# Altium PCB roach2.PcbDoc (part 8 of 39)
Units mil, origin at the board's own origin, x right, y up, seen from the top; angles counter-clockwise.
Board outline 12007.87 x 9606.3 mil, 16 copper layers (L1_TOP, L2_G, L3_S, L4_G, L5_S, L6_P, L7_G, L8_R, L9_R, L10_P, L11_P, L12_S, L13_P, L14_S, L15_G, L16_BOT), stack 81.651 mil thick; 1568 components, 1918 nets, 9251 pads, 6741 vias.
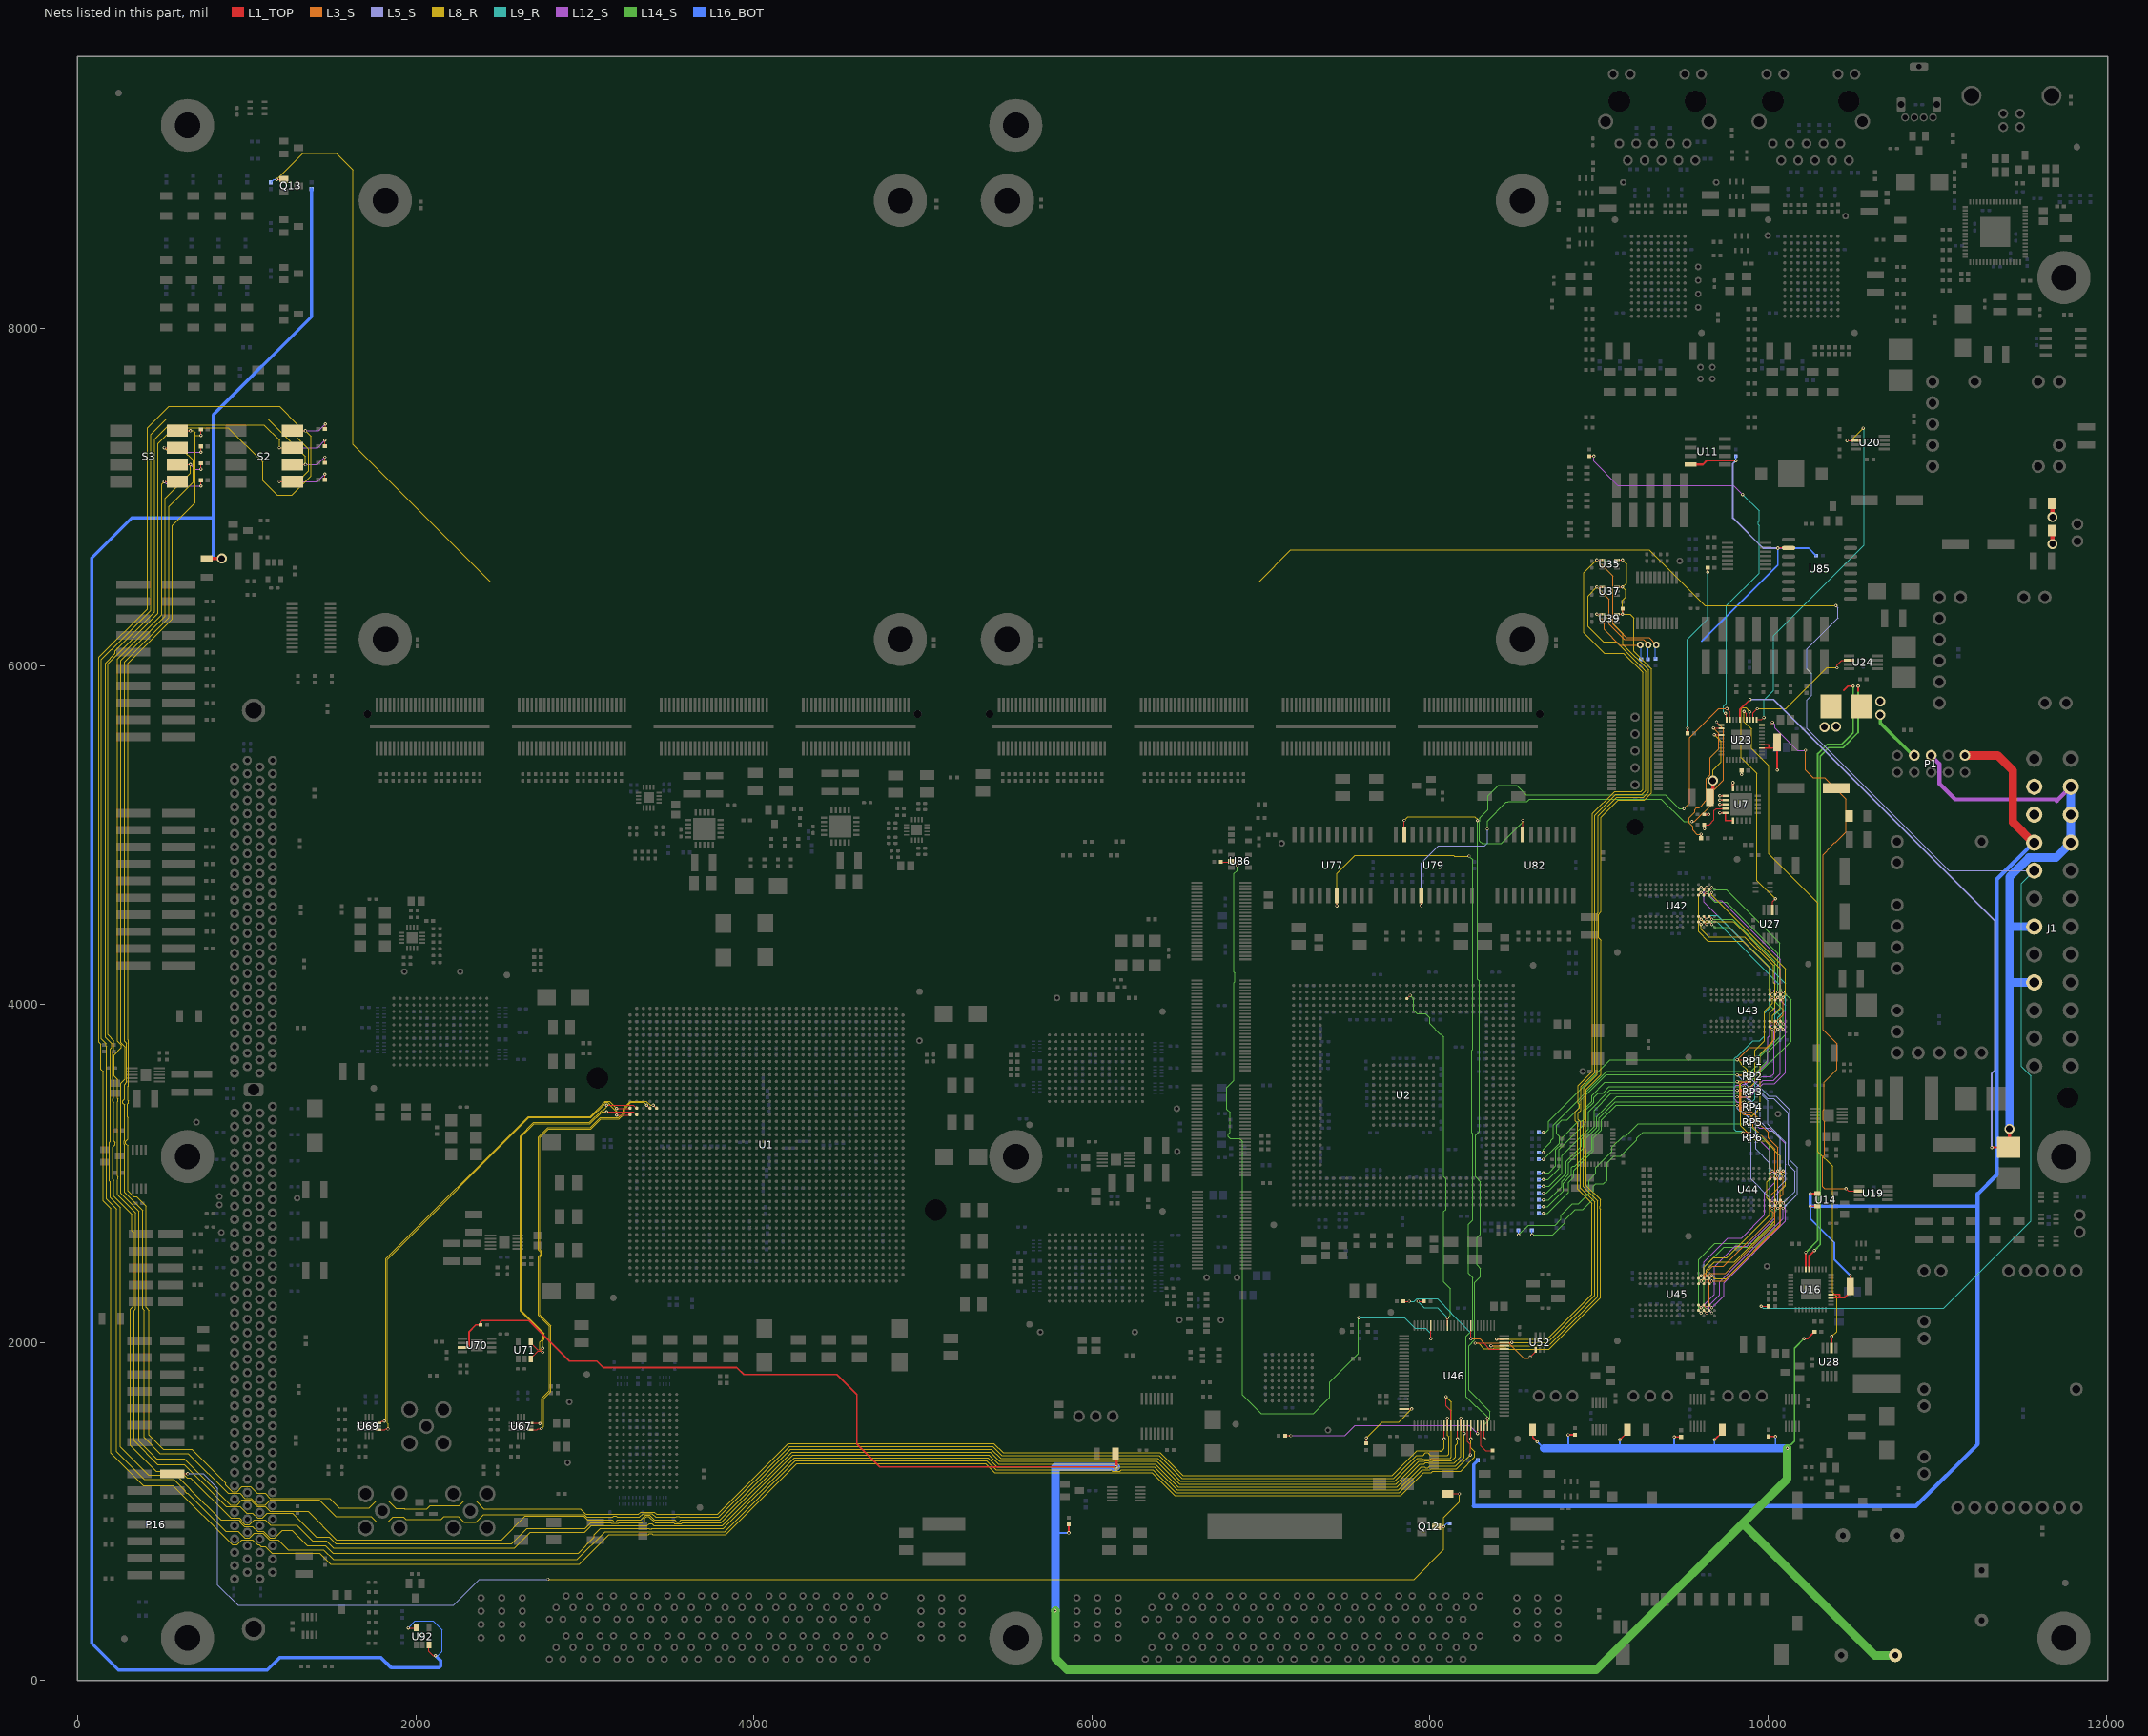
[diagram p22: the nets of this part, all layers, seen from the top]

## Via types
v1: diameter 19.4, hole 10, L1_TOP to L16_BOT, tented both sides, 3354 vias
v2: diameter 19.4, hole 10, L1_TOP to L16_BOT, 1954 vias
v3: diameter 19.4, hole 10, L1_TOP to L16_BOT, tented top, 429 vias
v4: diameter 18.6, hole 10, L1_TOP to L16_BOT, tented both sides, 311 vias
v5: diameter 59.06, hole 39.37, L1_TOP to L16_BOT, 217 vias
v6: diameter 19.4, hole 10.04, L1_TOP to L16_BOT, 125 vias
v7: diameter 19, hole 10, L1_TOP to L16_BOT, 93 vias
v8: diameter 19.4, hole 10, L1_TOP to L16_BOT, tented bottom, 80 vias
v9: diameter 25.98, hole 12.99, L1_TOP to L16_BOT, tented top, 55 vias
v10: diameter 20, hole 10, L1_TOP to L16_BOT, 53 vias
v11: diameter 59.06, hole 39.37, L1_TOP to L16_BOT, tented top, 44 vias
v12: diameter 20, hole 10, L1_TOP to L16_BOT, tented top, 16 vias
v13: diameter 19, hole 10, L1_TOP to L16_BOT, tented top, 5 vias
v14: diameter 25.98, hole 12.99, L1_TOP to L16_BOT, 4 vias
v15: diameter 50, hole 28, L1_TOP to L16_BOT, 1 vias

## Nets (pads, with @x,y where several pads share a name; then routed paths per layer and width w, separated by ;. In a path a pad name is that pad's centre, name@x,y a point inside that pad or via, vN(x,y) a via of type N, cw(c..) or ccw(c..) an arc to the next point about the centre after c; other vN are vias at no path point) (continued)
5VAUX: C21.2 C22.2 C487.2 C491.2 C775.2 C776.2 F5.1 J1.9 P1.2 R58.2 R449.1 R451.2 U7.5 U7.6 U7.7 U7.8 U7.10 U7.11 U11.8 U14.1 U14.3 U16.33 U16.34 U23.14 U23.33 U23.34 U85.2 U92.3 U92.5 | length 25528.1
  L1_TOP w5: v7(1956,311) 1956.18,311.18 U92.5@2002.6,311.18 ; U92.3@2077.4,208.82 2077.4,171.6 2102,147 v7(2117,147) ; v10(9681.48,5594.52) U23.14@9723.9,5594.52 ; v3(9843.31,5359.46) R58.2@9843.31,5382.99
  L1_TOP w10: C22.2@9622.68,5122.99 v10(9647.99,5122.99) ; C21.2@9652.99,5232.99 C21.2@9654.17,5234.17 ; v10(9714.57,5183.07) 9714.65,5182.99 U7.8@9747.52,5182.99 ; v10(9714.57,5208.66) 9714.65,5208.58 U7.7@9747.52,5208.58 ; v10(9714.57,5234.25) 9714.65,5234.17 U7.6@9747.52,5234.17 ; v10@9716.54,5131.89 9716.61,5131.81 U7.10@9747.99,5131.81 ; U7.10@9747.99,5132.99 U7.10@9747.99,5131.81 ; U7.10@9749.49,5131.81 U7.10@9747.99,5131.81 ; U7.5@9791.65,5278.46 9791.65,5311.34 v10(9791.73,5311.42) ; U7.11@9791.81,5087.52 9748.46,5087.52 9747.99,5087.99 U7.10@9747.99,5131.81 ; U23.33@9962.09,5515.78 10003.78,5515.78 ; U23.34@9962.09,5535.46 10003.78,5535.46 10003.78,5515.78 ; C491.2@10053.84,5515.78 10003.78,5515.78 ; C491.2@10053.84,5550 10053.84,5476.16 10054,5476 v2(10054,5386) ; v10(10057.09,6698.82) 10058.07,6699.8 U85.2@10121.57,6699.8 ; v10(10250,2805.12) 10250.47,2805.59 U14.3@10291.81,2805.59 ; v10(10250,2879.92) 10250.47,2880.39 U14.1@10291.81,2880.39 ; U16.33@10372.09,2263.78 10424,2263.78 ; U16.34@10372.09,2283.46 10422.54,2283.46 10422.54,2265.24 10424,2263.78 ; v2(10486.85,2395.43) C487.2@10486.85,2330 10486.85,2297.85 10452.78,2263.78 10424,2263.78
  L1_TOP w12: U11.8@9540.64,7194 9614,7194 9638,7218 9807.94,7218 v2(9809.21,7216.72)
  L1_TOP w20: F5.1@762.99,6638.11 852.87,6638.11 v5(852.99,6637.99) ; C21.2@9652.99,5252.99 9672.99,5272.99 v5(9672.99,5322.99)
  L1_TOP w50: P1.2@11164.88,5472.99 11357.72,5472.99 11448,5382.71 11448,5077.98 11572.99,4952.99 J1.9@11574.72,4956.38
  L5_S w10: v2(9809.21,7216.72) 9792,7199.51 9792,6877 9970.18,6698.82 v10(10057.09,6698.82)
  L8_R w5: v5(9672.99,5322.99) 9672.99,5384.99 9721,5433 9721,5555 v10(9681.48,5594.52)
  L16_BOT w5: v7(1956,311) 1996.17,351.17 2102.48,351.17 2155,298.65 2155,172 2130,147 v7(2117,147) ; v2(9809.21,7216.72) C775.2@9809.21,7243.31
  L16_BOT w10: 9606.3,6147.64 10057.09,6598.43 v10(10057.09,6698.82) 10240.16,6698.82 10283.46,6655.51 C776.2@10284.96,6654.8 ; v10(10250,2879.92) v10@10250,2883.86 ; 11240.16,2805.12 11242.13,2805.12
  L16_BOT w12: v10(10250,2805.12) 10250,2732 10391,2591 10391,2491.28 v2(10486.85,2395.43)
  L16_BOT w20: 802.99,6642.99 802.99,6877 ; R451.2@1382.99,8822.99 1382.99,8067.99 802.99,7487.99 802.99,6877 ; v7(2117,147) 2147,117 2147,84 2140,77 1853,77 1796,134 1194,134 1121,61 241,61 83,219 83,6640 320,6877 802.99,6877 ; 8258,1031.5 8258,1277.69 R449.1@8283.31,1302.99 ; v10(10250,2879.92) v10(10250,2805.12) 11240.16,2805.12
  L16_BOT w25: 8258,1031.5 10874.02,1031.5 11240.16,1397.64 11240.16,2805.12 11240.16,2877.95 11353.54,2991.34 11353.54,4739.54 J1.9@11572.99,4958.99
  other v10: 9714.57,5132.99
5VMON: J1.4 J1.6 J1.21 J1.22 J1.23 P1.6 R25.1 U23.6 | length 7260.8
  L1_TOP w10: U23.6@9832.99,5682.99 U23.6@9832.99,5684.09 ; U23.6@9833.15,5684.09 9833.15,5743.15 v2(9892.99,5802.99) ; v2(11322.99,3152.99) 11323.54,3153.54 R25.1@11422.99,3153.54
  L1_TOP w20: v5(11427.99,3262.99) 11427.99,3207.99 R25.1@11432.99,3202.99
  L5_S w10: v2(9892.99,5802.99) 10032.99,5802.99 11342.99,4492.99 11342.99,3612.99 11322.99,3592.99 v2(11322.99,3152.99)
  L12_S w25: P1.6@10964.88,5472.99 10964.88,5470.36 11013.57,5421.68 11013.57,5305.33 11106.43,5212.46 11716.64,5212.46 ; 11707.17,5202.99 11716.64,5212.46 ; J1.23@11791.26,5287.09 11716.64,5212.46
  L16_BOT w50: v5(11427.99,3262.99) 11427.99,4134.99 ; J1.4@11574.72,4129.61 11433.38,4129.61 11427.99,4134.99 ; J1.6@11574.72,4460.31 11428.67,4460.31 11427.99,4460.99 ; J1.23@11791.26,5287.09 J1.22@11791.26,5121.73 J1.21@11791.26,4956.38 11703.13,4868.25 11542.74,4868.25 11427.99,4753.51 11427.99,4460.99 ; 11427.99,4134.99 11427.99,4460.99
12V: C30.1 C728.2 F1.1 F2.1 F3.1 F4.1 L1.1 L2.1 L3.1 R16.2 R24.2 R36.2 R43.2 R46.2 R55.2 R64.2 U16.7 U70.7 | length 19207.3
  L1_TOP w10: U70.7@2276.38,1970.2 2310.2,1970.2 2316,1976 2316,2064 2354.99,2102.99 C728.2@2383.31,2102.99 ; C728.2@2382.99,2102.99 C728.2@2383.31,2102.99 ; v10(5862.99,872.99) R36.2@5862.99,923.31 ; v10(6142.99,1262.99) 4744.99,1262.99 4608.99,1398.99 4608.99,1691.01 4490,1810 3940,1810 3899.01,1850.99 3108.99,1850.99 3070.99,1888.99 2908.99,1888.99 2668.99,2128.99 2390.99,2128.99 2383.31,2121.31 C728.2@2383.31,2102.99 ; F2.1@8607.87,1482.99 8607.87,1438.11 v10(8632.99,1412.99) ; v10@8818.31,1453.31 R43.2@8857.99,1453.31 ; v10(9122.99,1422.99) 9167.87,1467.87 F3.1@9167.87,1482.99 ; v10@9445.31,1441.31 R55.2@9484.99,1441.31 ; v10(9682.99,1422.99) 9727.87,1467.87 F4.1@9727.87,1482.99 ; R64.2@10002.99,1443.31 v10@10042.68,1443.31 ; v10(10212.99,2022.99) 10235.12,2022.99 R46.2@10275.12,2062.99 ; v7(10222.99,2532.99) 10223.46,2532.52 U16.7@10223.46,2432.09 ; 10447.99,5857.99 10472.99,5882.99 v10(10502.99,5882.99)
  L1_TOP w20: F1.1@6138.11,1342.99 6142.99,1342.99 v10(6142.99,1262.99)
  L1_TOP w25: L2.1@11672.99,6792.99 11682.99,6802.99 v5(11682.99,6722.99) ; v5(11682.99,6882.99) L1.1@11682.99,6962.99
  L14_S w10: v10(10112.99,1372.99) 10155.99,1415.99 10155.99,1965.99 v10(10212.99,2022.99) ; v7(10222.99,2532.99) 10292.99,2602.99 10292.99,5482.99 10294.71,5482.99 10349.71,5537.99 10434.71,5537.99 10502.99,5606.28 v10(10502.99,5882.99)
  L14_S w50: v10(5782.99,412.99) 5782.99,132.99 5852.99,62.99 8982.99,62.99 10112.99,1192.99 v10(10112.99,1372.99) ; 9854.99,924.99 10631.32,148.66 R16.2@10752.99,148.66
  L16_BOT w10: 5792.99,872.99 v10(5862.99,872.99) ; v10(8632.99,1412.99) 8672.99,1372.99 ; 8817.99,1392.99 v10(8817.99,1452.99) ; 9122.99,1372.99 v10(9122.99,1422.99) ; 9444.99,1380.99 v10(9444.99,1440.99) ; 9682.99,1372.99 v10(9682.99,1422.99) ; 10042.99,1382.99 v10(10042.99,1442.99)
  L16_BOT w50: v10(5782.99,412.99) 5782.99,1262.99 v10(6142.99,1262.99) ; 8672.99,1372.99 9122.99,1372.99 9682.99,1372.99 v10(10112.99,1372.99)
  other v5: 10332.99,5640.99 10402.99,5642.99
12VMON: J1.10 J1.11 P1.8 R24.1 U16.6 | length 3980.2
  L1_TOP w10: U16.6@10243.15,2432.09 10243.15,2513.15 v7(10274,2544) ; 10532.99,5852.99 v10(10532.99,5882.99)
  L14_S w10: v7(10274,2544) 10308.49,2578.49 10308.49,5468.49 10357.99,5517.99 10442.99,5517.99 10532.99,5607.99 v10(10532.99,5882.99)
  L14_S w20: v5(10662.99,5712.99) 10662.99,5665.01 10855.01,5472.99 P1.8@10864.88,5472.99
  other v5: 10662.99,5792.99
ACT_LEDN: DS23.1 P16.13 Q12.3 R446.1 | length 8816.7
  L1_TOP w5: P16.13@560.43,1222.99 v2(650.95,1222.99) ; Q12.3@8038.74,909.57 v2(8081,909.57) ; DS23.1@8122.99,1103.94 v2(8173.13,1103.94)
  L5_S w3.8: v2(650.95,1222.99) 742.99,1222.99 828.99,1136.99 828.99,564.99 948.99,444.99 2222.99,444.99 2374.99,596.99 2778.99,596.99 v2(2780.99,598.99)
  L8_R w3.8: v2(2780.99,598.99) 7904.99,598.99 8081,775 v2(8081,909.57) 8081,965 8173.13,1057.13 v2(8173.13,1103.94)
  L16_BOT w5: v2(8081,909.57) 8100.69,929.25 R446.1@8115.43,929.25
ATX_PG: J1.8 Q13.1 R48.2 R458.2 | length 18105.8
  L1_TOP w5: v2(1177.42,8880.39) Q13.1@1219.68,8880.39 ; v2(9958.4,2214.09) 9959.5,2212.99 R48.2@10003.31,2212.99
  L5_S w3.8: v2(10400.99,6358.99) 10413.99,6345.99 10413.99,6285.99 ; 10414.99,6286.99 10413.99,6285.99 ; J1.8@11574.72,4791.02 11068.96,4791.02 10228.99,5630.99 10228.99,5799.24 10259,5829.25 10259,5955 10228.99,5985.01 10228.99,6100.99 10413.99,6285.99
  L8_R w3.8: v2(1177.42,8880.39) 1332.02,9034.99 1530.99,9034.99 1629.19,8936.79 1629.19,7313.13 2441.33,6500.99 6988.99,6500.99 7176.99,6688.99 9294.99,6688.99 9624.99,6358.99 v2(10400.99,6358.99)
  L9_R w3.8: v2(9958.4,2214.09) 9970.49,2202 11040,2202 11554.99,2716.99 11554.99,3576.73 11498.99,3632.73 11498.99,4715.29 J1.8@11574.72,4791.02
  L16_BOT w5: R458.2@1142.99,8862.68 1160.71,8880.39 v2(1177.42,8880.39)
AUX3V3_PG: R12.1 U7.9 | length 217.9
  L1_TOP w5: v3(9622.68,5039.46) R12.1@9622.68,5062.99 9650.99,5062.99 9680.99,5092.99 9680.99,5144.99 9693.4,5157.4 U7.9@9747.52,5157.4
AUX_CLK_N: U1.AW16 U67.10 | length 2622.4
  L1_TOP w5: U67.10@2674.17,1483.31 2717.31,1483.31 2724,1490 v2(2742,1490) ; v1(3365.24,3403.98) 3384.61,3384.61 U1.AW16@3384.93,3384.29
  L8_R w3.8: v2(2742,1490) 2756,1504 2756,1666.97 2798.79,1709.76 2798.79,2097.19 2732.99,2162.99 2732.99,2503.37 2746.39,2516.77 2746.39,2536.16 2732.99,2549.56 2732.99,3210.99 2785.19,3263.19 3037.19,3263.19 3095.19,3321.19 3202.42,3321.19 3234.99,3353.76 3234.99,3380.99 3273.58,3419.58 3349.64,3419.58 v1(3365.24,3403.98)
AUX_CLK_P: U1.AV16 U67.12 | length 2635.5
  L1_TOP w5: U67.12@2674.17,1522.68 2731.32,1522.68 v2(2734,1520) ; v1(3404.61,3403.98) 3423.98,3384.61 U1.AV16@3424.3,3384.29
  L8_R w3.8: v2@2736,1522 2746,1532 2746,1668 2790.99,1712.99 2790.99,2093.96 2725.19,2159.76 2725.19,2506.6 2738.59,2520 2738.59,2532.93 2725.19,2546.33 2725.19,3214.22 2781.96,3270.99 3033.96,3270.99 3091.96,3328.99 3199.19,3328.99 3227.19,3356.99 3227.19,3384.22 3270.35,3427.38 3363.9,3427.38 3387.3,3403.98 v1(3404.61,3403.98)
AUX_SYNCI_N: U1.BB17 U69.10 | length 2944.5
  L1_TOP w5: U69.10@1774.17,1483.31 1817.35,1483.31 1822.04,1488 v2(1836,1488) v2@1831.31,1483.31 ; v2(3188.08,3344.92) U1.BB17@3266.82,3344.92
  L8_R w3.8: v2(1836,1488) 1836,1518.69 1830.99,1523.69 1830.99,2490.99 2668.99,3328.99 3036.41,3328.99 3113.42,3406.01 3113.42,3410.44 3122.56,3419.58 3135.49,3419.58 3144.62,3410.44 3144.62,3405.68 3181.62,3368.69 3185.29,3368.69 3188.08,3365.91 v2(3188.08,3344.92)
AUX_SYNCI_P: U1.BB16 U69.12 | length 2859.1
  L1_TOP w5: U69.12@1774.17,1522.68 1790.68,1522.68 1802,1534 v2(1814,1534) ; v2(3188.08,3384.29) U1.BB16@3266.82,3384.29
  L8_R w3.8: v2(1814,1534) 1823.19,1543.19 1823.19,2494.22 2665.76,3336.79 3033.18,3336.79 3105.62,3409.24 3105.62,3413.67 3119.33,3427.38 3144.99,3427.38 v2(3188.08,3384.29)
AUX_SYNCO_N: U1.BA17 U71.4 | length 2160
  L1_TOP w5: U71.4@2680.39,2004.17 2680.39,1997.59 2720.49,1957.49 2743.79,1957.49 v2(2750.99,1964.69) ; v2(3129.02,3364.61) 3286.5,3364.61 3305.87,3345.24 U1.BA17@3306.19,3344.92
  L3_S w3.8: v2(2750.99,1964.69) v2@2750.99,1964.99
  L8_R w3.8: v2@2750.99,1964.99 2750.99,2007.96 2760.79,2017.76 2760.79,2053.19 2624.99,2188.99 2624.99,3217.19 2700.99,3293.19 3031.19,3293.19 3102.61,3364.61 v2(3129.02,3364.61)
AUX_SYNCO_P: U1.BA16 U71.3 | length 2243.3
  L1_TOP w5: U71.3@2680.39,1901.81 2680.39,1907.39 2721.49,1948.49 2743.79,1948.49 v2(2750.99,1941.29) ; v2(3129.02,3403.98) 3286.5,3403.98 ; U1.BA16@3306.19,3384.29 U1.BA16@3305.87,3384.61 ; 3286.5,3403.98 U1.BA16@3305.87,3384.61 ; 3286.5,3403.98 U1.BA16@3305.87,3384.61
  L8_R w3.8: 2743.79,1948.49 2743.79,1949.83 2735.39,1958.23 2735.39,2003.39 2752.99,2020.99 2752.99,2049.96 2617.19,2185.76 2617.19,3220.42 2697.76,3300.99 3027.96,3300.99 3099.38,3372.41 3110.41,3372.41 3129.02,3391.02 v2(3129.02,3403.98)
BOOT_CFG0: pad.0@9338.58,6125.98 R342.1 U35.1 U46.74 | length 6451.4
  L1_TOP w5: v3(8394.04,2019.53) U46.74@8439.25,2019.53 ; v2(8986.99,6628.58) U35.1@9019.68,6628.58
  L3_S w3.8: v2(8986.99,6628.58) 9082.68,6532.9 9082.68,6248.03 9161.42,6169.29 9295.28,6169.29 pad.0@9338.58,6125.98
  L8_R w5: v3(8394.04,2019.53) 8691.53,2019.53 8956.99,2284.99 8956.99,2822.99 8873.99,2905.99 8873.99,3297.04 8859.79,3311.24 8859.79,3364.74 8883.19,3388.14 8883.19,3407.7 8875.19,3415.7 8875.19,3519.32 8960.99,3605.12 8960.99,5129.12 9091.87,5259.99 9247.99,5259.99 9258.99,5270.99 9258.99,5962.99 9144.99,6076.99 9030.99,6076.99 8910.99,6196.99 8910.99,6552.58 v2(8986.99,6628.58)
  L16_BOT w5: R342.1@9334,6043.68 9334,6121.4 pad.0@9338.58,6125.98
BOOT_CFG1: pad.0@9291.34,6125.98 R345.2 U37.1 U46.73 | length 5997.4
  L1_TOP w5: U46.73@8439.25,1999.84 v3(8484.46,1999.84) ; v2(8986.99,6468.58) U37.1@9019.68,6468.58
  L3_S w3.8: v2(8986.99,6468.58) 9059.06,6396.52 9059.06,6248.03 9149.61,6157.48 9263.78,6157.48 9291.34,6129.92 pad.0@9291.34,6125.98
  L8_R w5: v3(8484.46,1999.84) 8695.88,1999.84 8973.99,2277.95 8973.99,2830.03 8890.99,2913.03 8890.99,3304.08 8876.79,3318.28 8876.79,3357.7 8892.19,3373.1 8892.19,3512.28 8975,3595.08 8975,5119.08 9098.91,5242.99 9255.03,5242.99 9275.99,5263.95 9275.99,5970.03 9101.03,6144.99 9026.11,6144.99 8934.99,6236.11 8934.99,6416.58 v2(8986.99,6468.58)
  L16_BOT w5: R345.2@9290,6041.69 9290,6124.65 pad.0@9291.34,6125.98
BOOT_CFG2: pad.0@9244.09,6125.98 R344.2 U39.1 U46.72 | length 5780
  L1_TOP w5: v2(8361.07,1980.16) U46.72@8439.25,1980.16 ; v2(8986.99,6308.58) U39.1@9019.68,6308.58
  L3_S w3.8: v2(8986.99,6308.58) 9031.5,6264.08 9031.5,6216.54 9122.05,6125.98 pad.0@9244.09,6125.98
  L8_R w5: v2(8361.07,1980.16) 8700.24,1980.16 8990.99,2270.91 8990.99,2837.08 8907.99,2920.08 8907.99,3317.08 8909.19,3318.28 8909.19,3505.23 8987.96,3584.01 8987.96,4536.64 8994.99,4543.67 8994.99,5115.03 9105.95,5225.99 9262.08,5225.99 9292.99,5256.91 9292.99,5977.08 9140.99,6129.08 9140.99,6192.99 9025.4,6308.58 v2(8986.99,6308.58)
  L16_BOT w5: pad.0@9244.09,6125.98 9248,6122.08 R344.2@9248,6041.69
BOOT_CFG_DISN: R150.1 U35.6 U37.6 U39.6 U46.71 | length 6003.2
  L1_TOP w5: v2(8267.2,1994.99) 8318.49,1994.99 8353.01,1960.47 U46.71@8439.25,1960.47 ; U39.6@9106.3,6308.58 v2(9138.99,6308.58) 9139.99,6309.58 R150.1@9139.99,6340.31 ; U37.6@9106.3,6468.58 v3(9138.99,6468.58) ; U35.6@9106.3,6628.58 v2(9138.99,6628.58)
  L8_R w5: v2(8267.2,1994.99) 8286.99,1994.99 8318.99,1962.99 8374.99,1962.99 8378.99,1966.99 8446.99,1966.99 8454.99,1958.99 8703.12,1958.99 9007.99,2263.87 9007.99,2789.08 9004.79,2792.28 9004.79,2805.7 9007.99,2808.9 9007.99,2844.12 8924.99,2927.12 8924.99,3136.18 8919.88,3141.3 8919.88,3304.93 8924.79,3309.84 8924.79,3496.79 9011.99,3583.99 9011.99,4378.04 8996.96,4393.07 8996.96,4532.92 9011.99,4547.94 9011.99,5107.99 9112.99,5208.99 9269.12,5208.99 9309.99,5249.87 9309.99,5984.12 9206.99,6087.12 9206.99,6284.99 9182.99,6308.99 9182.58,6308.58 v2(9138.99,6308.58) 9138.99,6390.99 9156.99,6408.99 9156.99,6450.58 v3(9138.99,6468.58) 9162.99,6492.58 9162.99,6604.58 v2(9138.99,6628.58)
CMON_1V0: U23.4 U28.6 | length 4062.3
  L1_TOP w5: v7(9858,5733) 9872.52,5718.48 U23.4@9872.52,5684.09
  L1_TOP w10: U28.6@10375.79,1966.65 10375.79,2033.79 v2(10376.99,2034.99)
  L3_S w3.8: v2@10375.5,2034.99 v2(10376.99,2034.99)
  L8_R w5: v7(9858,5733) 9858,5672 9902,5628 9902,5513 10004,5411 10004,4890 10296,4598 10296,3127 10381,3042 10381,2294 10406,2269 10406,2064 v2(10376.99,2034.99)
CMON_1V5: U23.3 U27.6 | length 1389
  L1_TOP w5: v7(9892,5730) 9892.2,5729.8 U23.3@9892.2,5684.09 ; U27.6@10025.79,4558.46 10025.79,4607.79 v2(10042.99,4624.99)
  L8_R w5: v7(9892,5730) 9867.8,5754.2 9850.2,5754.2 9840,5744 9840,5460 9934.99,5365.01 9934.99,4732.99 v2(10042.99,4624.99)
CMON_1V8: U23.2 U24.6 | length 745.5
  L1_TOP w5: U23.2@9911.89,5684.09 9911.89,5723.37 v7(9937,5748.48) ; v2(10406.99,5990.99) 10406.99,6006.99 10435.79,6035.79 U24.6@10479.33,6035.79
  L8_R w3.8: v7(9937,5748.48) 10104.48,5748.48 10346.99,5990.99 v2(10406.99,5990.99)
CMON_2V5: U20.6 U23.1 | length 2185.6
  L1_TOP w5: U23.1@9931.57,5684.09 9962.09,5684.09 v7(9975,5697) ; v2(10467.33,7335.79) U20.6@10519.33,7335.79
  L8_R w3.8: v2(10467.33,7335.79) 10489.79,7335.79 v2(10562.99,7408.99)
  L9_R w3.8: v7(9975,5697) 9975,5801 10031.39,5857.39 10031.39,6181.39 10566.99,6716.99 10566.99,7404.99 v2(10562.99,7408.99)
CMON_3V3: U19.6 U23.40 | length 3429.8
  L1_TOP w5: U23.40@9962.09,5653.57 10010.57,5653.57 v7(10026,5669) ; v2(10460.99,2908.99) 10474.2,2895.79 U19.6@10539.33,2895.79
  L3_S w3.8: v2(10220.99,5502.99) 10220.99,5387.39 10266.99,5341.39 10335.35,5341.39 10461.39,5215.35 10461.39,5020.53 10399.28,4958.42 10394.32,4958.42 10373.56,4937.67 10373.56,4933.56 10324.37,4884.37 10324.37,3850.37 10408.01,3766.73 10408.01,3614.01 10332.39,3538.39 10332.39,3378.45 10325.39,3371.45 10325.39,3316.53 10334.19,3307.73 10334.19,3107.1 10322.99,3095.9 10322.99,2920.99 10334.99,2908.99 v2(10460.99,2908.99)
  L12_S w5: v7(10026,5669) 10042,5653 10042,5635 10174.01,5502.99 v2(10220.99,5502.99)
CMON_FAULTN: R60.2 R74.1 | length 1031.1
  L1_TOP w5: R60.2@9523.31,5602.99 v2(9523.31,5634.42) ; R74.1@9643.31,6582.99 v2(9643.31,6556.13) v2@9644.31,6555.13
  L9_R w3.8: v2(9523.31,5634.42) 9523.31,6159.31 9643.31,6279.31 v2(9643.31,6556.13)
CMON_TCK: U23.11 U79.14 | length 2928.7
  L1_TOP w5: v3(7946.99,4584.41) 7946.99,4641.89 U79.14@7946.99,4642.99 ; v7(9695,5670) 9711.43,5653.57 U23.11@9723.9,5653.57
  L3_S w3.8: v3(9548.99,5080.99) 9564.99,5080.99 9678.99,5194.99 9678.99,5268.99 9736,5326 9736,5629 v7(9695,5670)
  L5_S w3.8: v3(7946.99,4584.41) 7946.99,4834.99 8050.99,4938.99 8322.99,4938.99 8338.99,4954.99 v2(8338.99,5036.99)
  L14_S w3.8: v2(8338.99,5036.99) 8338.99,5084.99 8451.56,5197.56 8462.67,5197.56 8464.09,5198.99 8572.99,5198.99 8588.99,5214.99 9366.99,5214.99 9500.99,5080.99 v3(9548.99,5080.99)
CMON_TDI: R486.2 U23.10 | length 2490.9
  L1_TOP w5: R486.2@8942.99,7243.31 v2(8968.99,7243.31) v2@8970.99,7243.31 ; v7(9747,5721) 9754.41,5713.59 U23.10@9754.41,5684.09
  L9_R w3.8: v7(9747,5721) 9737,5731 9737,5762.59 9754.41,5780 9754.41,6358.41 9946.99,6550.99 9946.99,6833.57 9942.88,6837.68 9942.88,6854.72 9946.99,6858.83 9946.99,6918.99 v2(9848.99,7016.99)
  L12_S w3.8: v2(8968.99,7243.31) 8968.99,7212.39 9110.99,7070.39 9795.59,7070.39 v2(9848.99,7016.99)
CMON_TDO: R488.1 U23.12 | length 836.4
  L1_TOP w5: R488.1@9603.31,4982.99 v3(9603.31,5006.52) ; v7(9677,5635) 9678.11,5633.89 U23.12@9723.9,5633.89
  L3_S w3.8: v3(9603.31,5006.52) 9579.46,5006.52 9556.59,5029.39 9556.59,5049.39 9533.39,5072.59 9533.39,5103.39 9567.71,5137.71 9567.71,5152.98 9576.85,5162.12 9592.12,5162.12 9610.99,5180.99 9610.99,5182.99 9634.99,5206.99 9634.99,5335.09 9658.32,5358.42 9658.32,5460.32 9708,5510 9708,5604 v7(9677,5635)
CMON_TMS: U23.9 U82.7 | length 2741.1
  L1_TOP w5: U82.7@8547.99,5004.09 v2(8547.99,5088.42) ; v7(9755,5749) 9774.09,5729.91 U23.9@9774.09,5684.09
  L3_S w3.8: v2(9502.99,5156.99) 9536.99,5190.99 9536.99,5577.99 9708,5749 v7(9755,5749)
  L14_S w3.8: v2(8547.99,5088.42) 8547.99,5077.99 8420.99,4950.99 8308.99,4950.99 8292.99,4966.99 8292.99,5076.93 8296.59,5080.53 8296.59,5097.05 8292.99,5100.65 8292.99,5100.99 8342.99,5150.99 8342.99,5234.99 8404.99,5296.99 8510.99,5296.99 8568.99,5238.99 9392.99,5238.99 9474.99,5156.99 v2(9502.99,5156.99)
CONFIG_DIP0: R192.1 S2.1 U46.43 | length 17080.5
  L1_TOP w5: v2(1193.11,7092.99) S2.1@1270.31,7092.99 ; R192.1@1462.68,7102.99 v2(1462.68,7137.38) ; v2(8241.42,1428.55) U46.43@8241.42,1506.73
  L8_R w5: v2(1193.11,7092.99) 1302.99,7092.99 1366.99,7156.99 1366.99,7284.99 1298.99,7352.99 1298.99,7430.99 1192.99,7536.99 538.99,7536.99 412.99,7410.99 412.99,6340.28 126.4,6053.69 126.4,3776.48 137.14,3765.75 137.14,3616.31 150.99,3602.46 150.99,2837.99 196.99,2791.99 196.99,1344.99 388.99,1152.99 563.72,1152.99 914.08,802.63 942.3,802.63 971.04,831.38 1034.94,831.38 1063.69,802.63 1073.35,802.63 1083.97,792.01 1109.74,792.01 1149.11,752.64 1431.48,752.64 1495.12,689 2968,689 3142.99,863.99 3376.61,863.99 3382.28,869.66 3395.7,869.66 3401.37,863.99 3833.99,863.99 4252.8,1282.8 5370.8,1282.8 5424.62,1228.99 6105.57,1228.99 6106.07,1228.49 6179.91,1228.49 6180.41,1228.99 6354.62,1228.99 6489.62,1093.99 7826.37,1093.99 7961.37,1228.99 8007.25,1228.99 8017.25,1238.99 8182.99,1238.99 8264.99,1320.99 8264.99,1352.99 8241.42,1376.57 v2(8241.42,1428.55)